# Altium PCB AU0006A_Fixed.pcbdoc (part 1 of 2)
Units mil, origin at the board's own origin, x right, y up, seen from the top; angles counter-clockwise.
Board outline 3649.12 x 8101.12 mil, 2 copper layers (Top Layer, Bottom Layer); 268 components, 222 nets, 891 pads, 0 vias.
Unrouted connection lines stored in the file: 561.
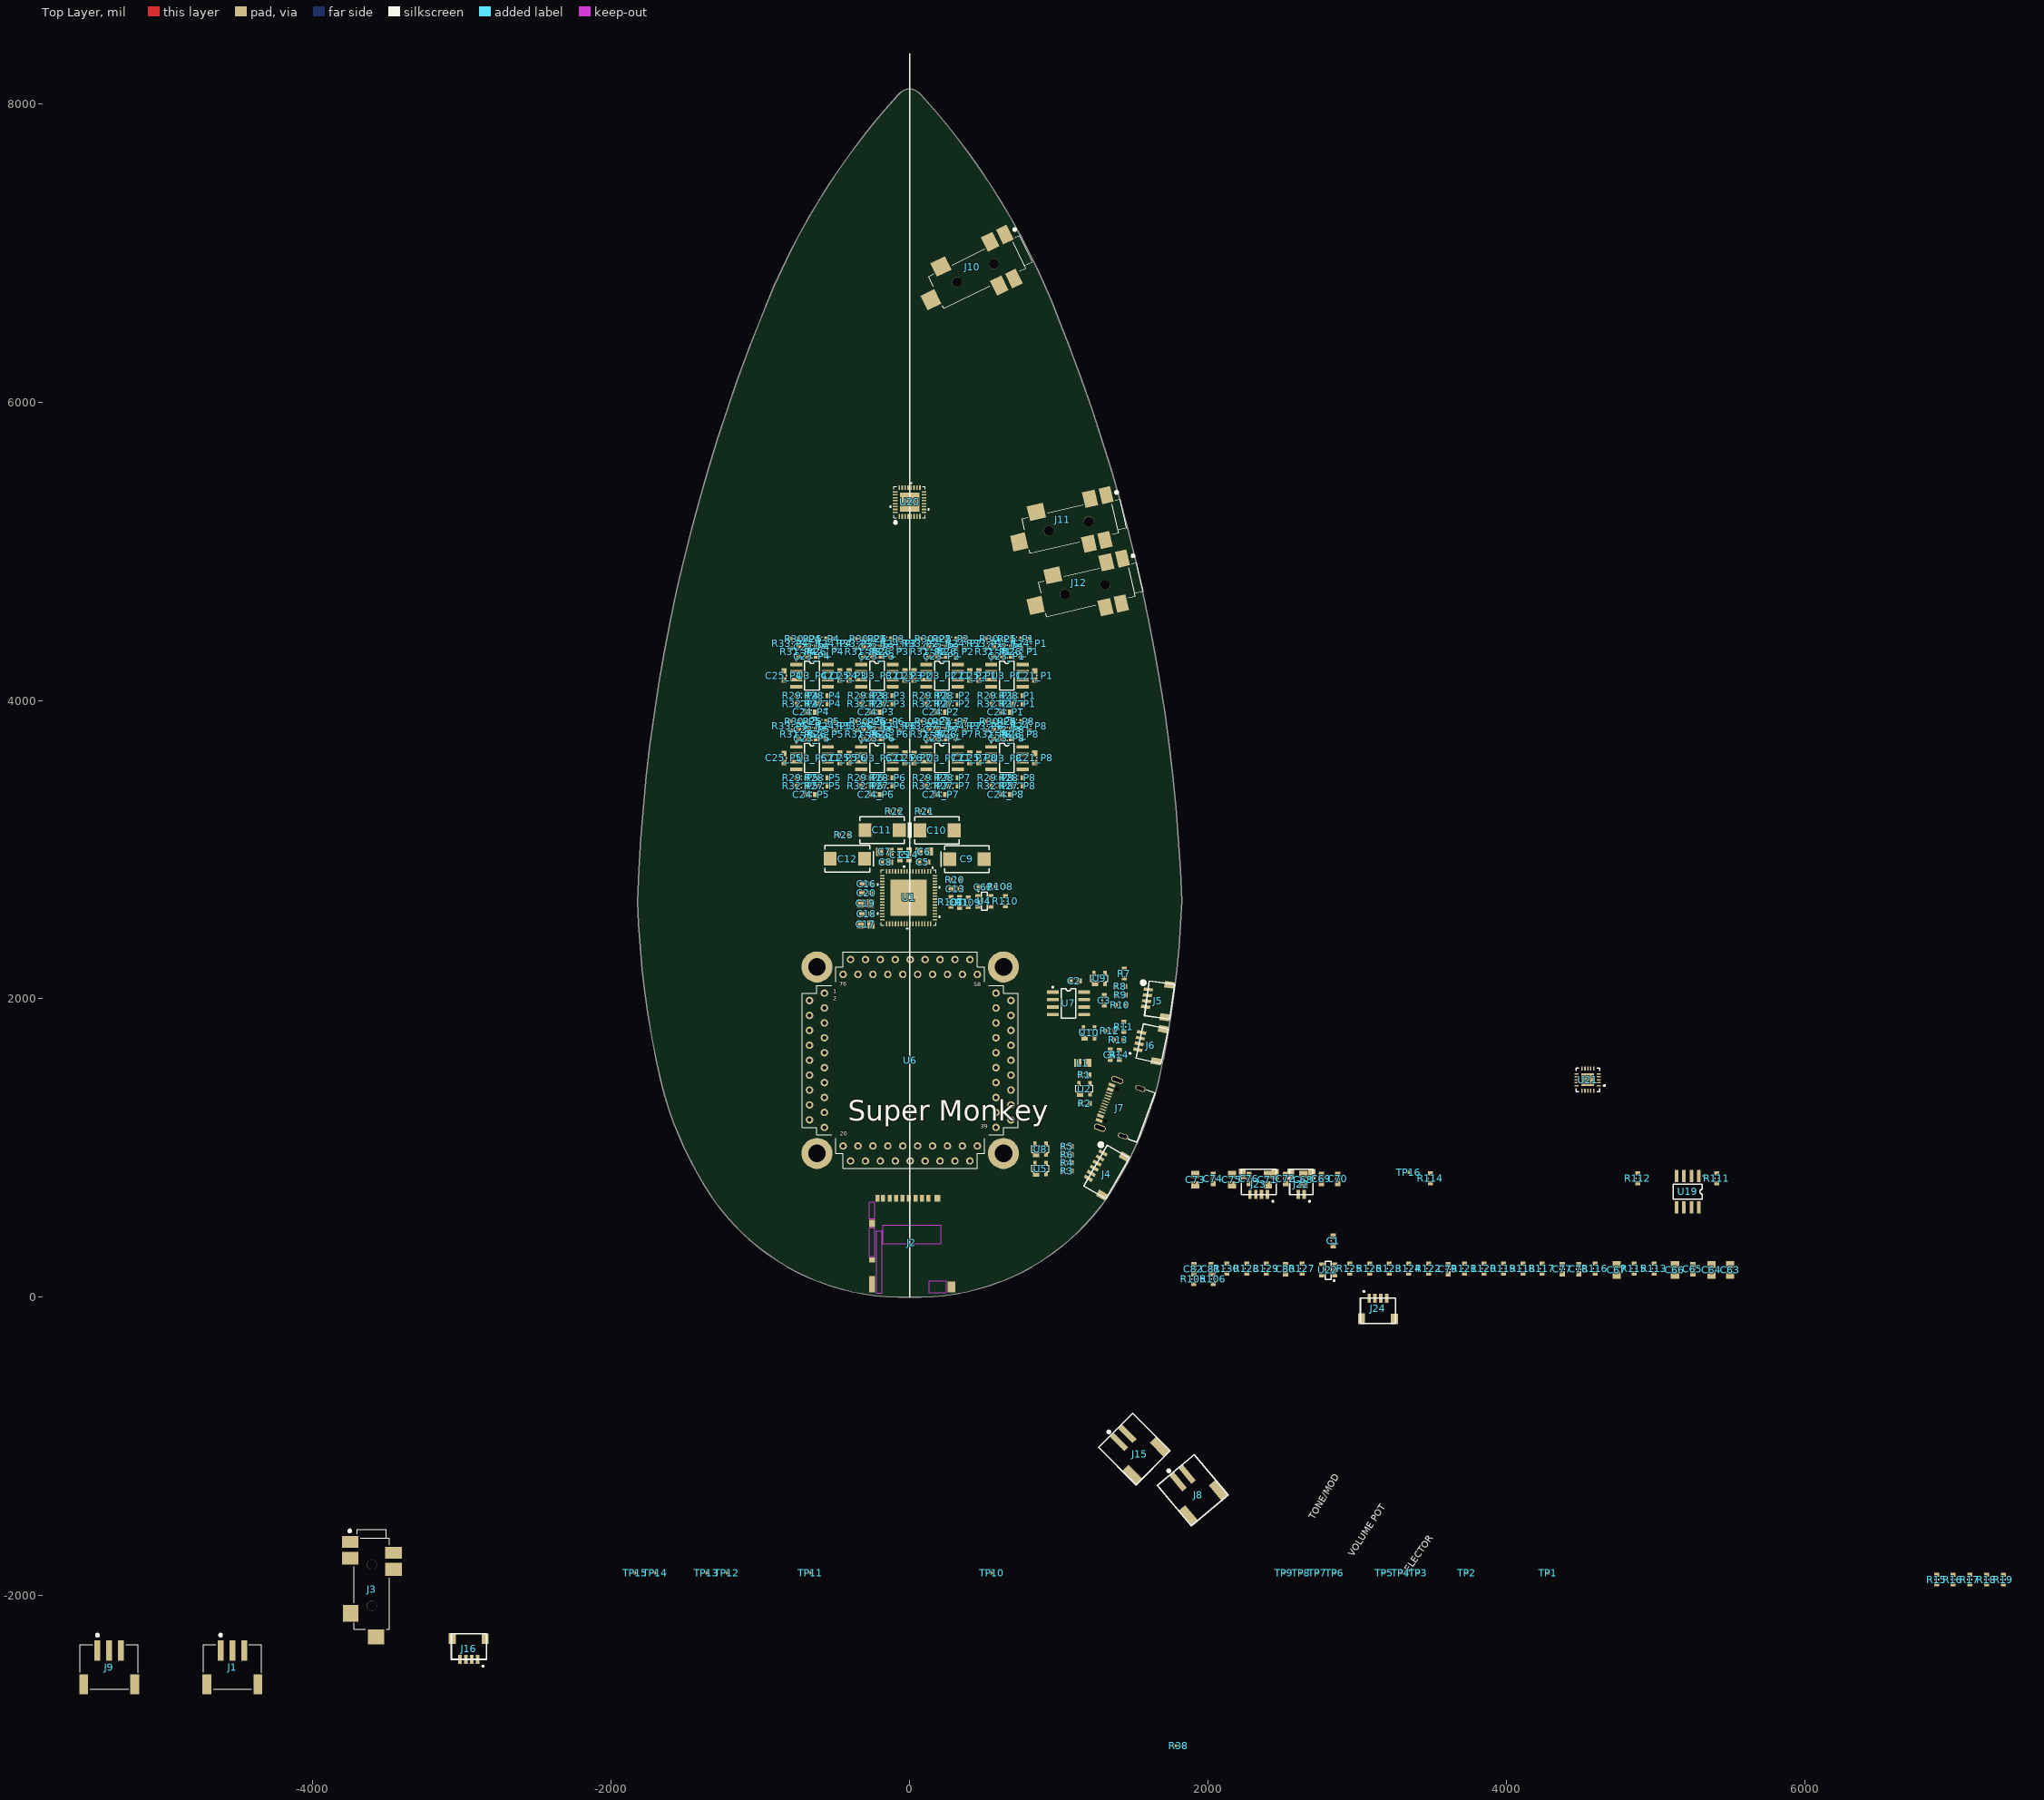
[diagram p0: Top Layer view]
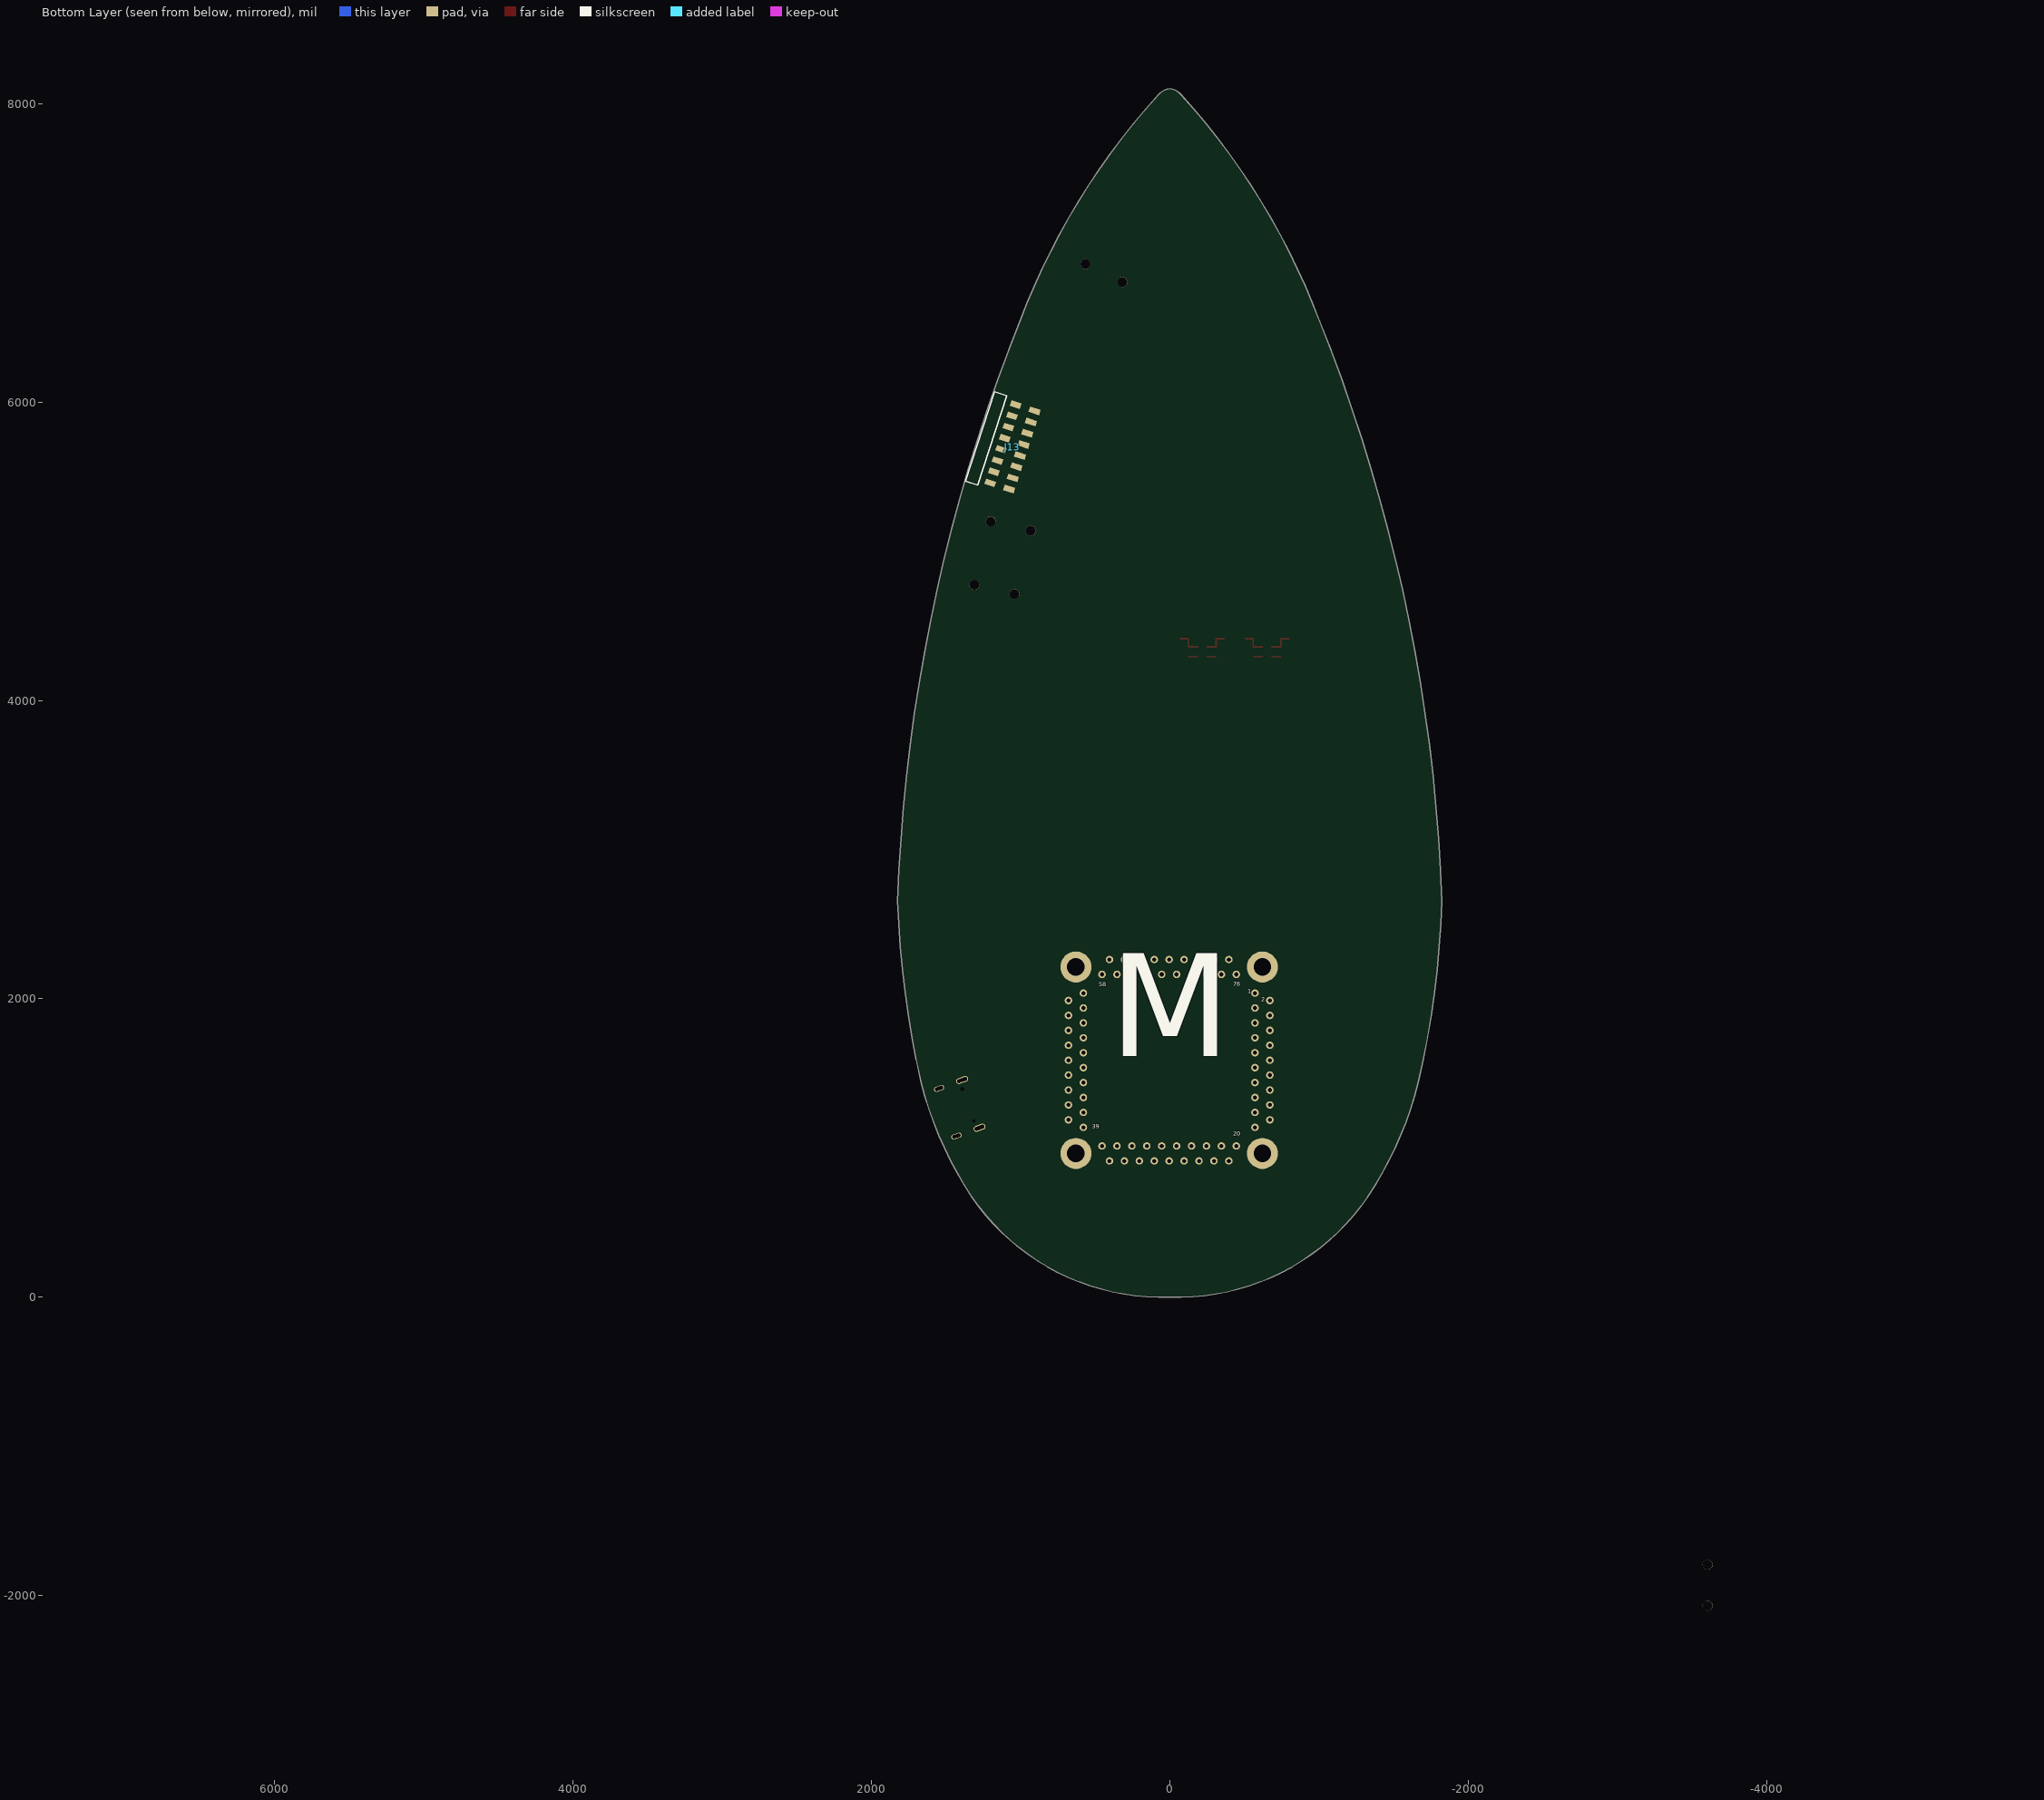
[diagram p1: Bottom Layer view, seen from below]

## Layer stack, top to bottom
Top Solder: solder mask 0.4, Solder Resist, Dk 3.5
Top Layer: signal copper 1.4
Dielectric 1: dielectric 12.6, FR-4, Dk 4.8
Bottom Layer: signal copper 1.4
Bottom Solder: solder mask 0.4, Solder Resist, Dk 3.5

## Board outline
0,8100.51 -17.12,8097.46 -33.57,8091.84 -48.98,8083.77 -62.97,8073.45 -75.23,8061.11 -160.03,7965.36 -242.22,7867.34 -321.72,7767.14 -398.49,7664.82 -472.46,7560.47 -543.58,7454.15 -611.8,7345.95 -677.07,7235.94 -739.34,7124.21 -798.57,7010.84 -854.71,6895.9 -907.72,6779.49 -957.56,6661.69 -1004.2,6542.59 -1080.56,6346.83 -1153.35,6149.72 -1222.53,5951.32 -1288.09,5751.69 -1350,5550.89 -1408.25,5349.01 -1462.8,5146.09 -1513.65,4942.22 -1560.78,4737.45 -1604.18,4531.86 -1643.82,4325.51 -1679.69,4118.48 -1711.79,3910.83 -1740.1,3702.62 -1764.62,3493.94 -1785.32,3284.84 -1802.22,3075.4 -1815.3,2865.69 -1824.56,2655.77 -1817.44,2502.47 -1806.71,2349.38 -1792.36,2196.59 -1774.4,2044.17 -1752.85,1892.23 -1727.71,1740.84 -1699.01,1590.08 -1666.74,1440.04 -1642.04,1349.48 -1613.94,1259.92 -1582.47,1171.48 -1547.68,1084.29 -1509.62,998.48 -1468.35,914.17 -1423.92,831.48 -1376.4,750.52 -1325.86,671.42 -1280.49,608.58 -1232.02,548.08 -1180.58,490.1 -1126.29,434.77 -1069.3,382.23 -1009.75,332.62 -947.78,286.05 -883.55,242.66 -817.23,202.54 -748.98,165.8 -678.97,132.52 -607.38,102.8 -534.39,76.71 -460.18,54.32 -384.94,35.67 -308.86,20.82 -232.14,9.81 -154.96,2.65 -77.51,-0.62 0,0 77.51,-0.62 154.96,2.65 232.14,9.81 308.86,20.82 384.94,35.67 460.18,54.32 534.39,76.71 607.38,102.8 678.97,132.52 748.98,165.8 817.23,202.54 883.55,242.66 947.78,286.05 1009.75,332.62 1069.3,382.23 1126.29,434.77 1180.58,490.1 1232.02,548.08 1280.49,608.58 1325.86,671.42 1376.4,750.52 1423.92,831.48 1468.35,914.17 1509.62,998.48 1547.68,1084.29 1582.47,1171.48 1613.94,1259.92 1642.04,1349.48 1666.74,1440.04 1699.01,1590.08 1727.71,1740.84 1752.85,1892.23 1774.4,2044.17 1792.36,2196.59 1806.71,2349.38 1817.44,2502.47 1824.56,2655.77 1815.3,2865.69 1802.22,3075.4 1785.32,3284.84 1764.62,3493.94 1740.1,3702.62 1711.79,3910.83 1679.69,4118.48 1643.82,4325.51 1604.18,4531.86 1560.78,4737.45 1513.65,4942.22 1462.8,5146.09 1408.25,5349.01 1350,5550.89 1288.09,5751.69 1222.53,5951.32 1153.35,6149.72 1080.56,6346.83 1004.2,6542.59 957.56,6661.69 907.72,6779.49 854.71,6895.9 798.57,7010.84 739.34,7124.21 677.07,7235.94 611.8,7345.95 543.58,7454.15 472.46,7560.47 398.49,7664.82 321.72,7767.14 242.22,7867.34 160.03,7965.36 75.23,8061.11 62.97,8073.45 48.98,8083.77 33.57,8091.84 17.12,8097.46

## Design rules (kind name [scope] priority, off if disabled: settings)
Clearance [All] p1: gap=10 ignorepadtopadclearanceinfootprint=FALSE except(0: Arc-Hole Track-Hole SMDPad-Hole THPad-Hole Via-Hole Fill-Hole Poly-Hole Region-Hole Text-Hole)
DiffPairsRouting [All] p1: maxlimit=10 minlimit=10 mostfreqgap=10 toplayer_minwidth=15 toplayer_maxwidth=15 toplayer_prefwidth=15 bottomlayer_minwidth=15 bottomlayer_maxwidth=15 bottomlayer_prefwidth=15 maxuncoupledlength=500
PolygonConnect [All] p1: connectstyle=Relief reliefconductorwidth=10 reliefentries=4 polygonreliefangle="90 Angle" airgapwidth=10
RoomDefinition P4 [InComponentClass('P4')] p1: confinementstyle=ConfineIn formatcopy=TRUE lockcomponents=FALSE outline -871,3890 -436,3890 -436,4442 -871,4442
RoomDefinition P8 [InComponentClass('P8')] p2: confinementstyle=ConfineIn formatcopy=TRUE lockcomponents=FALSE outline 435,3338 870,3338 870,3890 435,3890
RoomDefinition P7 [InComponentClass('P7')] p3: confinementstyle=ConfineIn formatcopy=TRUE lockcomponents=FALSE outline 0,3338 435,3338 435,3890 0,3890
RoomDefinition P5 [InComponentClass('P5')] p4: confinementstyle=ConfineIn formatcopy=TRUE lockcomponents=FALSE outline -871,3338 -436,3338 -436,3890 -871,3890
RoomDefinition P3 [InComponentClass('P3')] p5: confinementstyle=ConfineIn formatcopy=TRUE lockcomponents=FALSE outline -436,3890 -1,3890 -1,4442 -436,4442
RoomDefinition P2 [InComponentClass('P2')] p6: confinementstyle=ConfineIn formatcopy=TRUE lockcomponents=FALSE outline 0,3890 435,3890 435,4442 0,4442
RoomDefinition P1 [InComponentClass('P1')] p7: confinementstyle=ConfineIn formatcopy=TRUE lockcomponents=FALSE outline 435,3890 870,3890 870,4442 435,4442
RoomDefinition P6 [InComponentClass('P6')] p8: confinementstyle=ConfineIn formatcopy=TRUE lockcomponents=FALSE outline -436,3338 -1,3338 -1,3890 -436,3890
RoutingVias [All] p1: holewidth=28 width=50 viastyle="Through Hole" minholewidth=28 minwidth=50 maxholewidth=28 maxwidth=50
SolderMaskExpansion [All] p1: expansion=4 istentingtop=FALSE
Width [All] p1: maxlimit=10 minlimit=10 preferedwidth=10
29 further rules are at their usual default settings.

## Classes and differential pairs
channel class PREAMP: P1 P2 P3 P4 P5 P6 P7 P8
component class P8: C21_P8 C22_P8 C23_P8 C24_P8 C25_P8 R24_P8 R25_P8 R26_P8 R27_P8 R28_P8 R29_P8 R30_P8 R31_P8 R32_P8 R33_P8 U3_P8
component class P7: C21_P7 C22_P7 C23_P7 C24_P7 C25_P7 R24_P7 R25_P7 R26_P7 R27_P7 R28_P7 R29_P7 R30_P7 R31_P7 R32_P7 R33_P7 U3_P7
component class P6: C21_P6 C22_P6 C23_P6 C24_P6 C25_P6 R24_P6 R25_P6 R26_P6 R27_P6 R28_P6 R29_P6 R30_P6 R31_P6 R32_P6 R33_P6 U3_P6
component class P5: C21_P5 C22_P5 C23_P5 C24_P5 C25_P5 R24_P5 R25_P5 R26_P5 R27_P5 R28_P5 R29_P5 R30_P5 R31_P5 R32_P5 R33_P5 U3_P5
component class P4: C21_P4 C22_P4 C23_P4 C24_P4 C25_P4 R24_P4 R25_P4 R26_P4 R27_P4 R28_P4 R29_P4 R30_P4 R31_P4 R32_P4 R33_P4 U3_P4
component class P3: C21_P3 C22_P3 C23_P3 C24_P3 C25_P3 R24_P3 R25_P3 R26_P3 R27_P3 R28_P3 R29_P3 R30_P3 R31_P3 R32_P3 R33_P3 U3_P3
component class P2: C21_P2 C22_P2 C23_P2 C24_P2 C25_P2 R24_P2 R25_P2 R26_P2 R27_P2 R28_P2 R29_P2 R30_P2 R31_P2 R32_P2 R33_P2 U3_P2
component class P1: C21_P1 C22_P1 C23_P1 C24_P1 C25_P1 R24_P1 R25_P1 R26_P1 R27_P1 R28_P1 R29_P1 R30_P1 R31_P1 R32_P1 R33_P1 U3_P1
component class U_DAC: C63 C64 C65 C66 C67 C68 C69 C70 C71 C72 C73 C74 C75 C76 C77 C78 C79 C80 C81 C82 R111 R112 R113 R114 R115 R116 R117 R118 R119 R120 R121 R122 R123 R124 R125 R126 R127 R128 R129 R130 TP16 U19 U20 U21 U22
component class U_ADC: C1 C5 C6 C7 C8 C9 C10 C11 C12 C13 C14 C15 C16 C17 C18 C19 C20 C61 C62 R15 R16 R17 R18 R19 R20 R21 R22 R23 R107 R108 R109 R110 TP1 TP2 TP3 TP4 TP5 TP6 TP7 TP8 TP9 TP10 TP11 TP12 TP13 TP14 TP15 U1 U4
component class AU0005A_TOP_LEVEL: C2 C3 C4 J1 J2 J3 J4 J5 J6 J7 J8 J9 J10 J11 J12 J13 J15 J16 J22 J23 J24 L1 R1 R2 R3 R4 R5 R6 R7 R8 R9 R10 R11 R12 R13 R14 R38 R105 R106 U2 U5 U6 U7 U8 U9 U10
differential pair USB: +USB_P -USB_N

## Components (designator, comment, footprint, x,y, rotation, side; value= is the part's Value field where it differs from the comment)
C1 "0.1uF" C0603_0.50mm_MD 2840.15,377.82 r270 top
C2 "0.1µF" C0603_0.90MM_MD 1105,2120 r0 top
C3 "0.1µF" C0603_0.90MM_MD 1305,1990 r90 top
C4 "0.1µF" C0603_0.90MM_MD 1345,1625 r90 top
C5 "0.1uF" C0603_0.50mm_MD 89,2917 r180 top
C6 "10uF 10v" C0805_0.70MM_MD 97,2987 r180 top value=10000pF
C7 "10uF 10v" C0805_0.70MM_MD -167,2986 r0 top value=10000pF
C8 "0.1uF" C0603_0.50mm_MD -160,2916 r0 top
C9 "100µF" C_TANT_D_HD 384.16,2937 r0 top
C10 "100µF" C_TANT_D_HD 184,3130 r0 top
C11 "100µF" C_TANT_D_HD -184.16,3131 r180 top
C12 "100µF" C_TANT_D_HD -417.16,2939 r180 top
C13 "0.1uF" C0603_0.50mm_MD 309,2738 r180 top
C14 "0.1uF" C0603_0.50mm_MD -4,2965 r270 top
C15 "0.1uF" C0603_0.50mm_MD -65,2964 r270 top
C16 "0.1uF" C0603_0.50mm_MD -287,2771 r0 top
C17 "4.7uF 10v" C0805_0.70MM_MD -294,2499 r0 top value=10000pF
C18 "0.1uF" C0603_0.50mm_MD -288,2569 r0 top
C19 "10uF 10v" C0805_0.70MM_MD -295.55,2640 r0 top value=10000pF
C20 "0.1uF" C0603_0.50mm_MD -288,2710 r0 top
C21_P1 "270pF" C0603_0.90MM_MD 839,4167.49 r270 top (schematic designator C21)
C21_P2 "270pF" C0603_0.90MM_MD 404,4167.49 r270 top (schematic designator C21)
C21_P3 "270pF" C0603_0.90MM_MD -32,4167.49 r270 top (schematic designator C21)
C21_P4 "270pF" C0603_0.90MM_MD -467,4167.49 r270 top (schematic designator C21)
C21_P5 "270pF" C0603_0.90MM_MD -467,3615.49 r270 top (schematic designator C21)
C21_P6 "270pF" C0603_0.90MM_MD -32,3615.49 r270 top (schematic designator C21)
C21_P7 "270pF" C0603_0.90MM_MD 404,3615.49 r270 top (schematic designator C21)
C21_P8 "270pF" C0603_0.90MM_MD 839,3615.49 r270 top (schematic designator C21)
C22_P1 "470pF" C0603_0.90MM_MD 653,4357 r0 top (schematic designator C22)
C22_P2 "470pF" C0603_0.90MM_MD 218,4357 r0 top (schematic designator C22)
C22_P3 "470pF" C0603_0.90MM_MD -218,4357 r0 top (schematic designator C22)
C22_P4 "470pF" C0603_0.90MM_MD -653,4357 r0 top (schematic designator C22)
C22_P5 "470pF" C0603_0.90MM_MD -653,3805 r0 top (schematic designator C22)
C22_P6 "470pF" C0603_0.90MM_MD -218,3805 r0 top (schematic designator C22)
C22_P7 "470pF" C0603_0.90MM_MD 218,3805 r0 top (schematic designator C22)
C22_P8 "470pF" C0603_0.90MM_MD 653,3805 r0 top (schematic designator C22)
C23_P1 "1000pF" C0603_0.90MM_MD 653,4298 r0 top (schematic designator C23)
C23_P2 "1000pF" C0603_0.90MM_MD 218,4298 r0 top (schematic designator C23)
C23_P3 "1000pF" C0603_0.90MM_MD -218,4298 r0 top (schematic designator C23)
C23_P4 "1000pF" C0603_0.90MM_MD -653,4298 r0 top (schematic designator C23)
C23_P5 "1000pF" C0603_0.90MM_MD -653,3746 r0 top (schematic designator C23)
C23_P6 "1000pF" C0603_0.90MM_MD -218,3746 r0 top (schematic designator C23)
C23_P7 "1000pF" C0603_0.90MM_MD 218,3746 r0 top (schematic designator C23)
C23_P8 "1000pF" C0603_0.90MM_MD 653,3746 r0 top (schematic designator C23)
C24_P1 "15nF" C0603_0.50mm_MD 646,3922 r0 top value=0.1uF (schematic designator C24)
C24_P2 "15nF" C0603_0.50mm_MD 211,3922 r0 top value=0.1uF (schematic designator C24)
C24_P3 "15nF" C0603_0.50mm_MD -225,3922 r0 top value=0.1uF (schematic designator C24)
C24_P4 "15nF" C0603_0.50mm_MD -660,3922 r0 top value=0.1uF (schematic designator C24)
C24_P5 "15nF" C0603_0.50mm_MD -660,3370 r0 top value=0.1uF (schematic designator C24)
C24_P6 "15nF" C0603_0.50mm_MD -225,3370 r0 top value=0.1uF (schematic designator C24)
C24_P7 "15nF" C0603_0.50mm_MD 211,3370 r0 top value=0.1uF (schematic designator C24)
C24_P8 "15nF" C0603_0.50mm_MD 646,3370 r0 top value=0.1uF (schematic designator C24)
C25_P1 "270pF" C0603_0.90MM_MD 465,4167 r270 top (schematic designator C25)
C25_P2 "270pF" C0603_0.90MM_MD 30,4167 r270 top (schematic designator C25)
C25_P3 "270pF" C0603_0.90MM_MD -406,4167 r270 top (schematic designator C25)
C25_P4 "270pF" C0603_0.90MM_MD -841,4167 r270 top (schematic designator C25)
C25_P5 "270pF" C0603_0.90MM_MD -841,3615 r270 top (schematic designator C25)
C25_P6 "270pF" C0603_0.90MM_MD -406,3615 r270 top (schematic designator C25)
C25_P7 "270pF" C0603_0.90MM_MD 30,3615 r270 top (schematic designator C25)
C25_P8 "270pF" C0603_0.90MM_MD 465,3615 r270 top (schematic designator C25)
C61 "0.1uF" C0603_0.50mm_MD 335,2646 r270 top
C62 "10000pF" C0603_0.90MM_HD 495,2748 r180 top
C63 "10uF 10v" C0805_0.70MM_MD 5500.15,182.82 r270 top value=10000pF
C64 "10uF 10v" C0805_0.70MM_MD 5375.15,182.82 r270 top value=10000pF
C65 "1.0uF" C0603_0.50mm_MD 5250.15,187.82 r270 top
C66 "10uF 10v" C0805_0.70MM_MD 5130.15,182.82 r270 top value=10000pF
C67 "10uF 10v" C0805_0.70MM_MD 4740.15,182.82 r270 top value=10000pF
C68 "10uF 10v" C0805_0.70MM_MD 2640.15,787.82 r270 top value=10000pF
C69 "0.1uF" C0603_0.50mm_MD 2760.15,792.82 r270 top
C70 "1.0uF" C0603_0.50mm_MD 2870.15,792.82 r270 top
C71 "10uF 10v" C0805_0.70MM_MD 2400.15,787.82 r270 top value=10000pF
C72 "0.1uF" C0603_0.50mm_MD 2520.15,792.82 r270 top
C73 "10uF 10v" C0805_0.70MM_MD 1915.15,787.82 r270 top value=10000pF
C74 "0.1uF" C0603_0.50mm_MD 2035.15,792.82 r270 top
C75 "10uF 10v" C0805_0.70MM_MD 2160.15,787.82 r270 top value=10000pF
C76 "0.1uF" C0603_0.50mm_MD 2275.15,792.82 r270 top
C77 "1.0uF" C0603_0.50mm_MD 4375.15,187.82 r270 top
C78 "1.0uF" C0603_0.50mm_MD 4485.15,187.82 r270 top
C79 "3.9nF" C0603_0.50mm_MD 3610.15,187.82 r270 top value=0.1uF
C80 "3.9nF" C0603_0.50mm_MD 2520.15,187.82 r270 top value=0.1uF
C81 "470pF" C0603_0.50mm_MD 2020.15,187.82 r270 top value=0.1uF
C82 "0.1uF" C0603_0.50mm_MD 1905.15,187.82 r270 top
J1 "S3B-PH-SM4-TB(LF)(SN)" S3B-PH-SM4-TB(LF)(SN) -4539.85,-2367.18 r180 top
J2 "DM3AT-SF-PEJM5" DM3AT-SF-PEJM5 0,31.5 r0 top
J3 "SJ-43516-SMT" CUI_SJ-43516-SMT -3605,-1920 r270 top
J4 "SM6B-SRSS-TB(LF)(SN)" SM06B-SRSS-TB(LF)(SN) 1307.15,847.39 r60 top
J5 "SM04B-SRSS-TB(LF)(SN)" SM04B-SRSS-TB(LF)(SN) 1660,1995 r82 top
J6 "SM04B-SRSS-TB(LF)(SN)" SM04B-SRSS-TB(LF)(SN) 1610.16,1703.52 r78 top
J7 "=Value" 12402012E212A 1584.36,1204.81 r70 top
J8 "S2B-PH-SM4-TB(LF)(SN)" S2B-PH-SM4-TB(LF)(SN) 1899.56,-1294.75 r220 top
J9 "S3B-PH-SM4-TB(LF)(SN)" S3B-PH-SM4-TB(LF)(SN) -5364.85,-2367.18 r180 top
J10 "SJ-43516-SMT" CUI_SJ-43516-SMT 450,6868.91 r206 top
J11 "SJ-43516-SMT" CUI_SJ-43516-SMT 1075.33,5171.22 r193 top
J12 "SJ-43516-SMT" CUI_SJ-43516-SMT 1185.33,4746.22 r193 top
J13 "MMT-108-02-T-DH" MMT-108-02-T-DH 1055,5700 r288 bottom
J15 "S2B-PH-SM4-TB(LF)(SN)" S2B-PH-SM4-TB(LF)(SN) 1508.28,-1019.14 r225 top
J16 "SM04B-SRSS-TB(LF)(SN)" SM04B-SRSS-TB(LF)(SN) -2954.85,-2357.18 r180 top
J22 "SM02B-SRSS-TB(LFSN)" SM02B-SRSS-TB(LF)(SN) 2630.15,757.82 r180 top
J23 "SM04B-SRSS-TB(LF)(SN)" SM04B-SRSS-TB(LF)(SN) 2340.15,757.82 r180 top
J24 "SM04B-SRSS-TB(LF)(SN)" SM04B-SRSS-TB(LF)(SN) 3139.69,-75.64 r0 top
L1 "CBC2012T4R7M" C0805_1.45MM_MD 1160.55,1570 r180 top
R1 "5.1k" R0603_0.55MM_MD 1172.52,1490 r0 top
R2 "5.1k" R0603_0.55MM_MD 1175,1300 r0 top
R3 "1k" R0603_0.55MM_MD 1055,845 r180 top
R4 "1k" R0603_0.55MM_MD 1055,900 r180 top
R5 "1k" R0603_0.55MM_MD 1055,1010 r180 top
R6 "1k" R0603_0.55MM_MD 1055,955 r180 top
R7 "100k" R0603_0.55MM_MD 1440,2170 r90 top
R8 "1k" R0603_0.55MM_MD 1412.52,2085 r180 top
R9 "0" R0603_0.55MM_MD 1415,2025 r180 top
R10 "100k" R0603_0.55MM_MD 1412.52,1960 r180 top
R11 "100k" R0603_0.55MM_MD 1435,1812.48 r90 top
R12 "1k" R0603_0.55MM_MD 1342.52,1785 r180 top
R13 "0" R0603_0.55MM_MD 1400,1725 r0 top
R14 "100k" R0603_0.55MM_MD 1405,1625 r90 top
R15 "0" R0603_0.55MM_MD 6885.15,-1892.18 r270 top
R16 "0" R0603_0.55MM_MD 6995.15,-1892.18 r270 top
R17 "0" R0603_0.55MM_MD 7105.15,-1892.18 r270 top
R18 "0" R0603_0.55MM_MD 7220.15,-1892.18 r270 top
R19 "0" R0603_0.55MM_MD 7330.15,-1892.18 r270 top
R20 "22" R0603_0.55MM_MD 306,2797 r0 top value=1k
R21 "22" R0603_0.55MM_MD 100,3256 r0 top value=1k
R22 "22" R0603_0.55MM_MD -101,3258 r180 top value=1k
R23 "22" R0603_0.55MM_MD -440,3100 r180 top value=1k
R24_P1 "2.2k" R0603_0.55MM_MD 800,4382 r90 top (schematic designator R24)
R24_P2 "2.2k" R0603_0.55MM_MD 365,4382 r90 top (schematic designator R24)
R24_P3 "2.2k" R0603_0.55MM_MD -71,4382 r90 top (schematic designator R24)
R24_P4 "2.2k" R0603_0.55MM_MD -506,4382 r90 top (schematic designator R24)
R24_P5 "2.2k" R0603_0.55MM_MD -506,3830 r90 top (schematic designator R24)
R24_P6 "2.2k" R0603_0.55MM_MD -71,3830 r90 top (schematic designator R24)
R24_P7 "2.2k" R0603_0.55MM_MD 365,3830 r90 top (schematic designator R24)
R24_P8 "2.2k" R0603_0.55MM_MD 800,3830 r90 top (schematic designator R24)
R25_P1 "2.2k" R0603_0.55MM_MD 715.48,4412 r180 top (schematic designator R25)
R25_P2 "2.2k" R0603_0.55MM_MD 280.48,4412 r180 top (schematic designator R25)
R25_P3 "2.2k" R0603_0.55MM_MD -155.52,4412 r180 top (schematic designator R25)
R25_P4 "2.2k" R0603_0.55MM_MD -590.52,4412 r180 top (schematic designator R25)
R25_P5 "2.2k" R0603_0.55MM_MD -590.52,3860 r180 top (schematic designator R25)
R25_P6 "2.2k" R0603_0.55MM_MD -155.52,3860 r180 top (schematic designator R25)
R25_P7 "2.2k" R0603_0.55MM_MD 280.48,3860 r180 top (schematic designator R25)
R25_P8 "2.2k" R0603_0.55MM_MD 715.48,3860 r180 top (schematic designator R25)
R26_P1 "330" R0603_0.55MM_MD 745,4327 r270 top (schematic designator R26)
R26_P2 "330" R0603_0.55MM_MD 310,4327 r270 top (schematic designator R26)
R26_P3 "330" R0603_0.55MM_MD -126,4327 r270 top (schematic designator R26)
R26_P4 "330" R0603_0.55MM_MD -561,4327 r270 top (schematic designator R26)
R26_P5 "330" R0603_0.55MM_MD -561,3775 r270 top (schematic designator R26)
R26_P6 "330" R0603_0.55MM_MD -126,3775 r270 top (schematic designator R26)
R26_P7 "330" R0603_0.55MM_MD 310,3775 r270 top (schematic designator R26)
R26_P8 "330" R0603_0.55MM_MD 745,3775 r270 top (schematic designator R26)
R27_P1 "10" R0603_0.55MM_MD 725,3978 r0 top (schematic designator R27)
R27_P2 "10" R0603_0.55MM_MD 290,3978 r0 top (schematic designator R27)
R27_P3 "10" R0603_0.55MM_MD -146,3978 r0 top (schematic designator R27)
R27_P4 "10" R0603_0.55MM_MD -581,3978 r0 top (schematic designator R27)
R27_P5 "10" R0603_0.55MM_MD -581,3426 r0 top (schematic designator R27)
R27_P6 "10" R0603_0.55MM_MD -146,3426 r0 top (schematic designator R27)
R27_P7 "10" R0603_0.55MM_MD 290,3426 r0 top (schematic designator R27)
R27_P8 "10" R0603_0.55MM_MD 725,3426 r0 top (schematic designator R27)
R28_P1 "10" R0603_0.55MM_MD 725,4034 r180 top (schematic designator R28)
R28_P2 "10" R0603_0.55MM_MD 290,4034 r180 top (schematic designator R28)
R28_P3 "10" R0603_0.55MM_MD -146,4034 r180 top (schematic designator R28)
R28_P4 "10" R0603_0.55MM_MD -581,4034 r180 top (schematic designator R28)
R28_P5 "10" R0603_0.55MM_MD -581,3482 r180 top (schematic designator R28)
R28_P6 "10" R0603_0.55MM_MD -146,3482 r180 top (schematic designator R28)
R28_P7 "10" R0603_0.55MM_MD 290,3482 r180 top (schematic designator R28)
R28_P8 "10" R0603_0.55MM_MD 725,3482 r180 top (schematic designator R28)
R29_P1 "10" R0603_0.55MM_MD 578.52,4034 r0 top (schematic designator R29)
R29_P2 "10" R0603_0.55MM_MD 143.52,4034 r0 top (schematic designator R29)
R29_P3 "10" R0603_0.55MM_MD -292.48,4034 r0 top (schematic designator R29)
R29_P4 "10" R0603_0.55MM_MD -727.48,4034 r0 top (schematic designator R29)
R29_P5 "10" R0603_0.55MM_MD -727.48,3482 r0 top (schematic designator R29)
R29_P6 "10" R0603_0.55MM_MD -292.48,3482 r0 top (schematic designator R29)
R29_P7 "10" R0603_0.55MM_MD 143.52,3482 r0 top (schematic designator R29)
R29_P8 "10" R0603_0.55MM_MD 578.52,3482 r0 top (schematic designator R29)
R30_P1 "2.2k" R0603_0.55MM_MD 593,4412 r0 top (schematic designator R30)
R30_P2 "2.2k" R0603_0.55MM_MD 158,4412 r0 top (schematic designator R30)
R30_P3 "2.2k" R0603_0.55MM_MD -278,4412 r0 top (schematic designator R30)
R30_P4 "2.2k" R0603_0.55MM_MD -713,4412 r0 top (schematic designator R30)
R30_P5 "2.2k" R0603_0.55MM_MD -713,3860 r0 top (schematic designator R30)
R30_P6 "2.2k" R0603_0.55MM_MD -278,3860 r0 top (schematic designator R30)
R30_P7 "2.2k" R0603_0.55MM_MD 158,3860 r0 top (schematic designator R30)
R30_P8 "2.2k" R0603_0.55MM_MD 593,3860 r0 top (schematic designator R30)
R31_P1 "330" R0603_0.55MM_MD 563,4327 r270 top (schematic designator R31)
R31_P2 "330" R0603_0.55MM_MD 128,4327 r270 top (schematic designator R31)
R31_P3 "330" R0603_0.55MM_MD -308,4327 r270 top (schematic designator R31)
R31_P4 "330" R0603_0.55MM_MD -743,4327 r270 top (schematic designator R31)
R31_P5 "330" R0603_0.55MM_MD -743,3775 r270 top (schematic designator R31)
R31_P6 "330" R0603_0.55MM_MD -308,3775 r270 top (schematic designator R31)
R31_P7 "330" R0603_0.55MM_MD 128,3775 r270 top (schematic designator R31)
R31_P8 "330" R0603_0.55MM_MD 563,3775 r270 top (schematic designator R31)
R32_P1 "10" R0603_0.55MM_MD 578,3979 r180 top (schematic designator R32)
R32_P2 "10" R0603_0.55MM_MD 143,3979 r180 top (schematic designator R32)
R32_P3 "10" R0603_0.55MM_MD -293,3979 r180 top (schematic designator R32)
R32_P4 "10" R0603_0.55MM_MD -728,3979 r180 top (schematic designator R32)
R32_P5 "10" R0603_0.55MM_MD -728,3427 r180 top (schematic designator R32)
R32_P6 "10" R0603_0.55MM_MD -293,3427 r180 top (schematic designator R32)
R32_P7 "10" R0603_0.55MM_MD 143,3427 r180 top (schematic designator R32)
R32_P8 "10" R0603_0.55MM_MD 578,3427 r180 top (schematic designator R32)
R33_P1 "2.2k" R0603_0.55MM_MD 508,4382 r90 top (schematic designator R33)
R33_P2 "2.2k" R0603_0.55MM_MD 73,4382 r90 top (schematic designator R33)
R33_P3 "2.2k" R0603_0.55MM_MD -363,4382 r90 top (schematic designator R33)
R33_P4 "2.2k" R0603_0.55MM_MD -798,4382 r90 top (schematic designator R33)
R33_P5 "2.2k" R0603_0.55MM_MD -798,3830 r90 top (schematic designator R33)
R33_P6 "2.2k" R0603_0.55MM_MD -363,3830 r90 top (schematic designator R33)
R33_P7 "2.2k" R0603_0.55MM_MD 73,3830 r90 top (schematic designator R33)
R33_P8 "2.2k" R0603_0.55MM_MD 508,3830 r90 top (schematic designator R33)
R38 "10k" R0402_0.40MM_MD 1803.84,-3005.18 r180 top
R105 "2.2k" R0603_0.55MM_MD 1905.15,122.82 r270 top
R106 "2.2k" R0603_0.55MM_MD 2035.15,122.82 r270 top
R107 "2.2k" R0603_0.55MM_MD 276,2650 r270 top
R108 "100" R0603_0.55MM_MD 610,2752 r0 top
R109 "2.2k" R0603_0.55MM_MD 392,2647.52 r90 top
R110 "1k" R0603_0.55MM_MD 643,2655 r90 top
R111 "2.2k" R0603_0.55MM_MD 5410.15,797.82 r270 top
R112 "2.2k" R0603_0.55MM_MD 4880.15,797.82 r270 top
R113 "2.2k" R0603_0.55MM_MD 4990.15,192.82 r270 top
R114 "2.2k" R0603_0.55MM_MD 3490.15,797.82 r270 top
R115 "2.2k" R0603_0.55MM_MD 4855.15,192.82 r270 top
R116 "2.2k" R0603_0.55MM_MD 4595.15,192.82 r270 top
R117 "2.2k" R0603_0.55MM_MD 4240.15,192.82 r270 top
R118 "2.2k" R0603_0.55MM_MD 4110.15,192.82 r270 top
R119 "2.2k" R0603_0.55MM_MD 3980.15,192.82 r270 top
R120 "2.2k" R0603_0.55MM_MD 3850.15,192.82 r270 top
R121 "2.2k" R0603_0.55MM_MD 3720.15,192.82 r270 top
R122 "2.2k" R0603_0.55MM_MD 3480.15,192.82 r270 top
R123 "2.2k" R0603_0.55MM_MD 3215.15,192.82 r270 top
R124 "2.2k" R0603_0.55MM_MD 3345.15,192.82 r270 top
R125 "2.2k" R0603_0.55MM_MD 2950.15,192.82 r270 top
R126 "150" R0603_0.55MM_MD 3085.15,192.82 r270 top value=2.2k
R127 "2.2k" R0603_0.55MM_MD 2630.15,192.82 r270 top
R128 "2.2k" R0603_0.55MM_MD 2260.15,192.82 r270 top
R129 "150" R0603_0.55MM_MD 2390.15,192.82 r270 top value=2.2k
R130 "2.2k" R0603_0.55MM_MD 2125.15,192.82 r270 top
TP1 "SMT_TEST" "SMT_TP - 25" 4280.15,-1847.18 r180 top
TP2 "SMT_TEST" "SMT_TP - 25" 3735.15,-1847.18 r180 top
TP3 "SMT_TEST" "SMT_TP - 25" 3410.15,-1847.18 r180 top
TP4 "SMT_TEST" "SMT_TP - 25" 3295.15,-1847.18 r180 top
TP5 "SMT_TEST" "SMT_TP - 25" 3180.15,-1847.18 r180 top
TP6 "SMT_TEST" "SMT_TP - 25" 2850.15,-1847.18 r180 top
TP7 "SMT_TEST" "SMT_TP - 25" 2735.15,-1847.18 r180 top
TP8 "SMT_TEST" "SMT_TP - 25" 2625.15,-1847.18 r180 top
TP9 "SMT_TEST" "SMT_TP - 25" 2510.15,-1847.18 r180 top
TP10 "SMT_TEST" "SMT_TP - 25" 550.15,-1847.18 r270 top
TP11 "SMT_TEST" "SMT_TP - 25" -664.85,-1847.18 r270 top
TP12 "SMT_TEST" "SMT_TP - 25" -1224.85,-1847.18 r270 top
TP13 "SMT_TEST" "SMT_TP - 25" -1359.85,-1847.18 r270 top
TP14 "SMT_TEST" "SMT_TP - 25" -1704.85,-1847.18 r270 top
TP15 "SMT_TEST" "SMT_TP - 25" -1839.85,-1847.18 r270 top
TP16 "SMT_TEST" "SMT_TP - 25" 3345.15,837.82 r270 top
U1 "AK5558VN" AK5558VN -6.53,2678.84 r270 top
U2 "PRTR5V0U2X,215" SOT143B 1143,1360 r0 top
U3_P1 "THS4531AID" "SOIC 8" 652,4166 r270 top (schematic designator U3)
U3_P2 "THS4531AID" "SOIC 8" 217,4166 r270 top (schematic designator U3)
U3_P3 "THS4531AID" "SOIC 8" -219,4166 r270 top (schematic designator U3)
U3_P4 "THS4531AID" "SOIC 8" -654,4166 r270 top (schematic designator U3)
U3_P5 "THS4531AID" "SOIC 8" -654,3614 r270 top (schematic designator U3)
U3_P6 "THS4531AID" "SOIC 8" -219,3614 r270 top (schematic designator U3)
U3_P7 "THS4531AID" "SOIC 8" 217,3614 r270 top (schematic designator U3)
U3_P8 "THS4531AID" "SOIC 8" 652,3614 r270 top (schematic designator U3)
U4 "OPA333AIDBVT" SOT95P245X145-5L 500,2654 r0 top
U5 "PRTR5V0U2X,215" SOT143B 848,825.2 r0 top
U6 "=Value" RT_SUPER_C 4,1589 r0 top
U7 "MCP6002-I/SN" "SOIC 8" 1065,1970 r270 top
U8 "PRTR5V0U2X,215" SOT143B 848,955.2 r0 top
U9 "PRTR5V0U2X,215" SOT143B 1242.87,2100.2 r0 top
U10 "PRTR5V0U2X,215" SOT143B 1173,1735.2 r0 top
U19 "OPA1656ID" "SOIC 8" 5215.15,707.82 r180 top
U20 "AK4454VN" QFN32_AKM 0,5329.5 r90 top
U21 "TPA6133A2RTJR" QFN20 4546,1458 r180 top
U22 "OPA1655DBVR" SOT23-5 2805.15,182.82 r180 top

## Footprints (in the part's own frame and the unit in brackets; to place one, negate y for a bottom-side part, rotate by r counter-clockwise, add the part's x,y. Pads: shape width x height; smd on the part's side, far side on the other; paste and mask are expansions set on the pad)
12402012E212A [mm] "USB-C  2.0"
  round 0 hole 0.65: 71(2.89,6.28) ALIGN1(-2.89,6.28)
  rect 0.575x1.15 smd: A1B12(-3.2,7.355) A4B9(-2.4,7.355) B1A12(3.2,7.355) B4A9(2.4,7.355)
  rect 0.275x1.15 smd: A5(-1.25,7.355) A6(-0.25,7.355) A7(0.25,7.355) A8(1.25,7.355) B5(1.75,7.355) B6(0.75,7.355) B7(-0.75,7.355) B8(-1.75,7.355)
  oval 1x2.1 hole 0.6 slot 1.7 at 90 deg: M1(-4.32,6.78) M2(4.32,6.78)
  oval 0.9x1.8 hole 0.6 slot 1.4 at 90 deg: M3(-4.32,2.6) M4(4.32,2.6)
  silkscreen extent -4.47,-0.03 4.47,1.52, body extent -4.47,-0.02 4.47,7.58, height 3.27
AK5558VN [mil] "IC ADC, Audio 32 bit 768k DSD, PCM 64-QFN (9x9)"
  rect 31.68x10 smd paste+0 mask+0: 1(-176.16,147.64) 2(-176.16,127.95) 3(-176.16,108.27) 4(-176.16,88.58) 5(-176.16,68.9) 6(-176.16,49.21) 7(-176.16,29.53) 8(-176.16,9.84) 9(-176.16,-9.84) 10(-176.16,-29.53) 11(-176.16,-49.21) 12(-176.16,-68.9) 13(-176.16,-88.58) 14(-176.16,-108.27) 15(-176.16,-127.95) 16(-176.16,-147.64) 33(176.16,-147.64) 34(176.16,-127.95) 35(176.16,-108.27) 36(176.16,-88.58) 37(176.16,-68.9) 38(176.16,-49.21) 39(176.16,-29.53) 40(176.16,-9.84) 41(176.16,9.84) 42(176.16,29.53) 43(176.16,49.21) 44(176.16,68.9) 45(176.16,88.58) 46(176.16,108.27) 47(176.16,127.95) 48(176.16,147.64)
  rect 10x31.68 smd paste+0 mask+0: 17(-147.64,-176.16) 18(-127.95,-176.16) 19(-108.27,-176.16) 20(-88.58,-176.16) 21(-68.9,-176.16) 22(-49.21,-176.16) 23(-29.53,-176.16) 24(-9.84,-176.16) 25(9.84,-176.16) 26(29.53,-176.16) 27(49.21,-176.16) 28(68.9,-176.16) 29(88.58,-176.16) 30(108.27,-176.16) 31(127.95,-176.16) 32(147.64,-176.16) 49(147.64,176.16) 50(127.95,176.16) 51(108.27,176.16) 52(88.58,176.16) 53(68.9,176.16) 54(49.21,176.16) 55(29.53,176.16) 56(9.84,176.16) 57(-9.84,176.16) 58(-29.53,176.16) 59(-49.21,176.16) 60(-68.9,176.16) 61(-88.58,176.16) 62(-108.27,176.16) 63(-127.95,176.16) 64(-147.64,176.16)
  rect 242x242 smd paste-120.5 mask+0: 65(0,0)
  silkscreen extent -212,-212 212,212, body extent -180,-180 180,180, height 39
C0603_0.50mm_MD [mm] "Capacitor 0603 - Medium Density"
  rect 0.95x0.9 smd: 1(-0.775,0) 2(0.775,0)
  silkscreen extent -0.1,-0.35 0.1,0.35, body extent -0.8,-0.4 0.8,0.4, height 0.65
C0603_0.90MM_HD [mm] "Capacitor 0603 - High Density"
  rect 0.8x0.9 smd: 1(-0.75,0) 2(0.75,0)
  silkscreen extent -0.1,-0.35 0.1,0.35, body extent -0.8,-0.4 0.8,0.4, height 0.9
C0603_0.90MM_MD [mm] "Capacitor 0603 - Medium Density"
  rect 0.95x0.9 smd: 1(-0.775,0) 2(0.775,0)
  silkscreen extent -0.1,-0.35 0.1,0.35, body extent -0.8,-0.4 0.8,0.4, height 0.9
C0805_0.70MM_MD [mm] "Capacitor - 0805 - Medium Density"
  rect 1.25x1.4 smd: 1(-0.875,0) 2(0.875,0)
  body extent -1,-0.62 1,0.63, height 0.7
C0805_1.45MM_MD [mm] "Capacitor - 0805 - Medium Density"
  rect 1.25x1.4 smd: 1(-0.875,0) 2(0.875,0)
  body extent -1,-0.62 1,0.63, height 1.45
C_TANT_D_HD [mm] "Molded Capacitor, 2-Leads, Body 7.3x4.3mm, IPC High Density"
  rect 2.2x2.35 smd: 1(-2.925,0) 2(2.925,0)
  silkscreen extent -4.44,-2.3 3.8,2.3, body extent -3.65,-2.15 3.65,2.15, height 2.8
CUI_SJ-43516-SMT [mm]
  rect 2x2.8 smd: 1(-7.15,-3.7) 6(-5.25,3.7)
  rect 2.8x2.6 smd: 2(5.05,-3.6)
  rect 2.2x2.8 smd: 3(-2.45,3.7) 4(-4.35,-3.7)
  rect 2.6x2.8 smd: 5(9.05,0.75)
  round 1.7 hole 1.7 unplated: ""(-3.25,0) ""(3.75,0)
  silkscreen extent -9.25,-3.95 7.75,3, body extent -9.45,-4.5 7.75,4.5, height 5.08
DM3AT-SF-PEJM5 [mm] "Hirose DM3AT-SF-PEJM5 uSD connector - Normal Mount"
  rect 0.7x1.2 smd: 1(3.2,16.05) 2(2.1,16.05) 3(1,16.05) 4(-0.1,16.05) 5(-1.2,16.05) 6(-2.3,16.05) 7(-3.4,16.05) 8(-4.5,16.05) CDB(-5.45,16.05)
  rect 1x0.8 smd: CDA(-6.4,5.55)
  rect 1x2.8 smd: M(-6.4,1.4)
  rect 1x1.2 smd: M(-6.4,11.75) M(4.75,16.05)
  rect 1.3x1.9 smd: M(7.1,0.95)
  Top Layer keep-out region: 3.275,0 6.275,0 6.275,1.9 3.275,1.9
  Top Layer keep-out region: -6.9,12.573 -5.9,12.573 -5.9,15.325 -6.9,15.325
  Top Layer keep-out region: -6.9,6.171 -5.9,6.171 -5.9,10.921 -6.9,10.921
  Top Layer keep-out region: -5.7,-0.101 -4.7,-0.101 -4.7,10.399 -5.7,10.399
  Top Layer keep-out region: -4.648,8.35 5.325,8.35 5.325,11.4 -4.648,11.4
  body extent -6.49,0 7.36,16.15, height 1.68
MMT-108-02-T-DH [mm]
  rect 1.016x1.778 smd: 1(-7,-1.7) 3(-5,-1.7) 5(-3,-1.7) 7(-1,-1.7) 9(1,-1.7) 11(3,-1.7) 13(5,-1.7) 15(7,-1.7)
  rect 1.016x1.905 smd: 2(-7,1.7) 4(-5,1.7) 6(-3,1.7) 8(-1,1.7) 10(1,1.7) 12(3,1.7) 14(5,1.7) 16(7,1.7)
  silkscreen extent -8,-5.8 8,-3.6, body extent -8,-8.9 8,2.52, height 4.03
QFN20 [mm] "QFN, 20-Leads, Body 4.0x4.0mm (max), Pitch 0.50mm, IPC High Density"
  rect 0.7x0.25 smd: 1(-1.9,1) 2(-1.9,0.5) 3(-1.9,0) 4(-1.9,-0.5) 5(-1.9,-1) 11(1.9,-1) 12(1.9,-0.5) 13(1.9,0) 14(1.9,0.5) 15(1.9,1)
  rect 0.25x0.7 smd: 6(-1,-1.9) 7(-0.5,-1.9) 8(0,-1.9) 9(0.5,-1.9) 10(1,-1.9) 16(1,1.9) 17(0.5,1.9) 18(0,1.9) 19(-0.5,1.9) 20(-1,1.9)
  rect 2.15x2.15 smd paste-1.27: 21(0.025,0)
  silkscreen extent -2.93,-2 2,2, body extent -1.94,-2 2.06,2, height 0.8
QFN32_AKM [mil]
  rect 32x10 smd paste+0 mask+0: 1(-96.5,68.9) 2(-96.5,49.21) 3(-96.5,29.53) 4(-96.5,9.84) 5(-96.5,-9.84) 6(-96.5,-29.53) 7(-96.5,-49.21) 8(-96.5,-68.9) 17(96.5,-68.9) 18(96.5,-49.21) 19(96.5,-29.53) 20(96.5,-9.84) 21(96.5,9.84) 22(96.5,29.53) 23(96.5,49.21) 24(96.5,68.9)
  rect 10x32 smd paste+0 mask+0: 9(-68.9,-96.5) 10(-49.21,-96.5) 11(-29.53,-96.5) 12(-9.84,-96.5) 13(9.84,-96.5) 14(29.53,-96.5) 15(49.21,-96.5) 16(68.9,-96.5) 25(68.9,96.5) 26(49.21,96.5) 27(29.53,96.5) 28(9.84,96.5) 29(-9.84,96.5) 30(-29.53,96.5) 31(-49.21,96.5) 32(-68.9,96.5)
  rect 130x130 smd paste-64.5 mask+0: 33(0,0)
  silkscreen extent -142,-132 132,132, body extent -101,-101 101,101, height 32
R0402_0.40MM_MD [mm] "Resistor 0402 Medium Density"
  rect 0.45x0.55 smd: 1(-0.5,0) 2(0.5,0)
  body extent -0.5,-0.25 0.5,0.25, height 0.4
R0603_0.55MM_MD [mm] "Resistor 0603 Medium Density"
  rect 0.7x0.85 smd: 1(-0.825,0) 2(0.825,0)
  silkscreen extent -0.1,-0.33 0.1,0.33, body extent -0.8,-0.4 0.8,0.4, height 0.55
RT_SUPER_C [mil]
  round 50 hole 28: 1(-575,450) 2(-675,400) 3(-575,350) 4(-675,300) 5(-575,250) 6(-675,200) 7(-575,150) 8(-675,100) 9(-575,50) 10(-675,0) 11(-575,-50) 12(-675,-100) 13(-575,-150) 14(-675,-200) 15(-575,-250) 16(-675,-300) 17(-575,-350) 18(-675,-400) 19(-575,-450) 20(-450,-575) 21(-400,-675) 22(-350,-575) 23(-300,-675) 24(-250,-575) 25(-200,-675) 26(-150,-575) 27(-100,-675) 28(-50,-575) 29(0,-675) 30(50,-575) 31(100,-675) 32(150,-575) 33(200,-675) 34(250,-575) 35(300,-675) 36(350,-575) 37(400,-675) 38(450,-575) 39(575,-450) 40(675,-400) 41(575,-350) 42(675,-300) 43(575,-250) 44(675,-200) 45(575,-150) 46(675,-100) 47(575,-50) 48(675,0) 49(575,50) 50(675,100) 51(575,150) 52(675,200) 53(575,250) 54(675,300) 55(575,350) 56(675,400) 57(575,450) 58(450,575) 59(400,675) 60(350,575) 61(300,675) 62(250,575) 63(200,675) 64(150,575) 65(100,675) 66(50,575) 67(0,675) 68(-50,575) 69(-100,675) 70(-150,575) 71(-200,675) 72(-250,575) 73(-300,675) 74(-350,575) 75(-400,675) 76(-450,575)
  round 208.66 hole 118.11: M(-625,-625) M(-625,625) M(625,-625) M(625,625)
  silkscreen extent -725,-725 725,725, body extent -725,-725 725,725, height 466
S2B-PH-SM4-TB(LF)(SN) [mm] "CONN HEADER PH SIDE 2POS 2MM SMD"
  rect 1x3.5 smd: 1(1,-2.75) 2(-1,-2.75)
  rect 1.5x3.4 smd: M1(3.35,2.75) M2(-3.35,2.75)
  silkscreen extent -4.1,-5.4 4.1,4.45, body extent -3.97,-4.39 3.93,4.21, height 5.6
S3B-PH-SM4-TB(LF)(SN) [mm]
  rect 1x3.5 smd: 1(2,0) 2(0,0) 3(-2,0)
  rect 1.5x3.4 smd: M1(-4.35,5.75) M2(4.35,5.75)
  silkscreen extent -4.95,-2.8 4.95,6.6, body extent -4.95,-1.49 4.95,7.11, height 5.5
SM02B-SRSS-TB(LF)(SN) [mm] "CONN HEADER SH 2POS SIDE 1MM TIN"
  rect 0.6x1.55 smd: 1(-0.373,1.769) 2(0.627,1.769)
  rect 1.2x1.8 smd: M1(1.927,-1.769) M2(-1.673,-1.719)
  silkscreen extent -1.87,-2.56 2.1,3.05, body extent -1.87,-2.58 2.13,2.37, height 2.97
SM04B-SRSS-TB(LF)(SN) [mm] "CONN HEADR SH 4POS SIDE 1MM TIN"
  rect 0.6x1.55 smd: 1(-1.5,1.769) 2(-0.5,1.769) 3(0.5,1.769) 4(1.5,1.769)
  rect 1.2x1.8 smd: M1(2.8,-1.769) M2(-2.8,-1.719)
  silkscreen extent -3,-2.56 2.97,3.05, body extent -3,-2.64 3,2.31, height 2.91
SM06B-SRSS-TB(LF)(SN) [mm] "CONN HEADR SH 6POS SIDE 1MM TIN"
  rect 0.6x1.55 smd: 1(-2.5,1.769) 2(-1.5,1.769) 3(-0.5,1.769) 4(0.5,1.769) 5(1.5,1.769) 6(2.5,1.769)
  rect 1.2x1.8 smd: M1(3.8,-1.769) M2(-3.8,-1.719)
  silkscreen extent -4,-2.56 3.97,3.05, body extent -4,-2.44 4,2.51, height 2.97
"SMT_TP - 25" [mil] ".025\" SMT Test pad"
  round 25 smd paste-25: 1(0,0)
"SOIC 8" [mm]
  rect 0.6x2.05 smd: 1(-1.905,-2.675) 2(-0.635,-2.675) 3(0.635,-2.675) 4(1.905,-2.675) 5(1.905,2.675) 6(0.635,2.675) 7(-0.635,2.675) 8(-1.905,2.675)
  silkscreen extent -2.88,-2.8 2.5,1.25, body extent -2.49,-3.19 2.51,3.14, height 1.88
SOT23-5 [mm] "SOT23, 5-Leads, Body 3.1x2.6mm (max), Pitch 0.95mm, IPC High Density"
  rect 0.85x0.6 smd: 1(-1.125,0.95) 2(-1.125,0) 3(-1.125,-0.95) 4(1.125,-0.95) 5(1.125,0.95)
  silkscreen extent -1.15,-1.5 0.5,1.92, body extent -1.38,-1.45 1.32,1.45, height 1.15
SOT95P245X145-5L [mm] "SOT23, 5-Leads, Body 3.1x2.6mm (max), Pitch 0.95mm, IPC High Density"
  rect 0.85x0.6 smd: 1(-1.125,0.95) 2(-1.125,0) 3(-1.125,-0.95) 4(1.125,-0.95) 5(1.125,0.95)
  silkscreen extent -1.15,-1.5 0.5,1.92, body extent -1.38,-1.45 1.32,1.45, height 1.15
SOT143B [mm] "SOT143B"
  rect 1.1x0.8 smd: 1(0,0)
  rect 0.6x0.7 smd: 2(1.702,0) 3(1.702,1.9) 4(-0.2,1.9)
  silkscreen extent -0.71,0.43 2.21,1.52, body extent -0.7,-0.27 2.22,2.15, height 1